# Altium PCB PCB1.PcbDoc (part 6 of 6)
Units mm, origin at the board's own origin, x right, y up, seen from the top; angles counter-clockwise.
Board outline 152.4 x 101.6 mm, 8 copper layers (L1-CU, GND, L3-CU-PWR, L4-CU, L5-CU-GND, L6-CU, L7-CU-GND, L8-CU), stack 1.524 mm thick; 274 components, 255 nets, 1291 pads, 685 vias.
Unrouted connection lines stored in the file: 236.
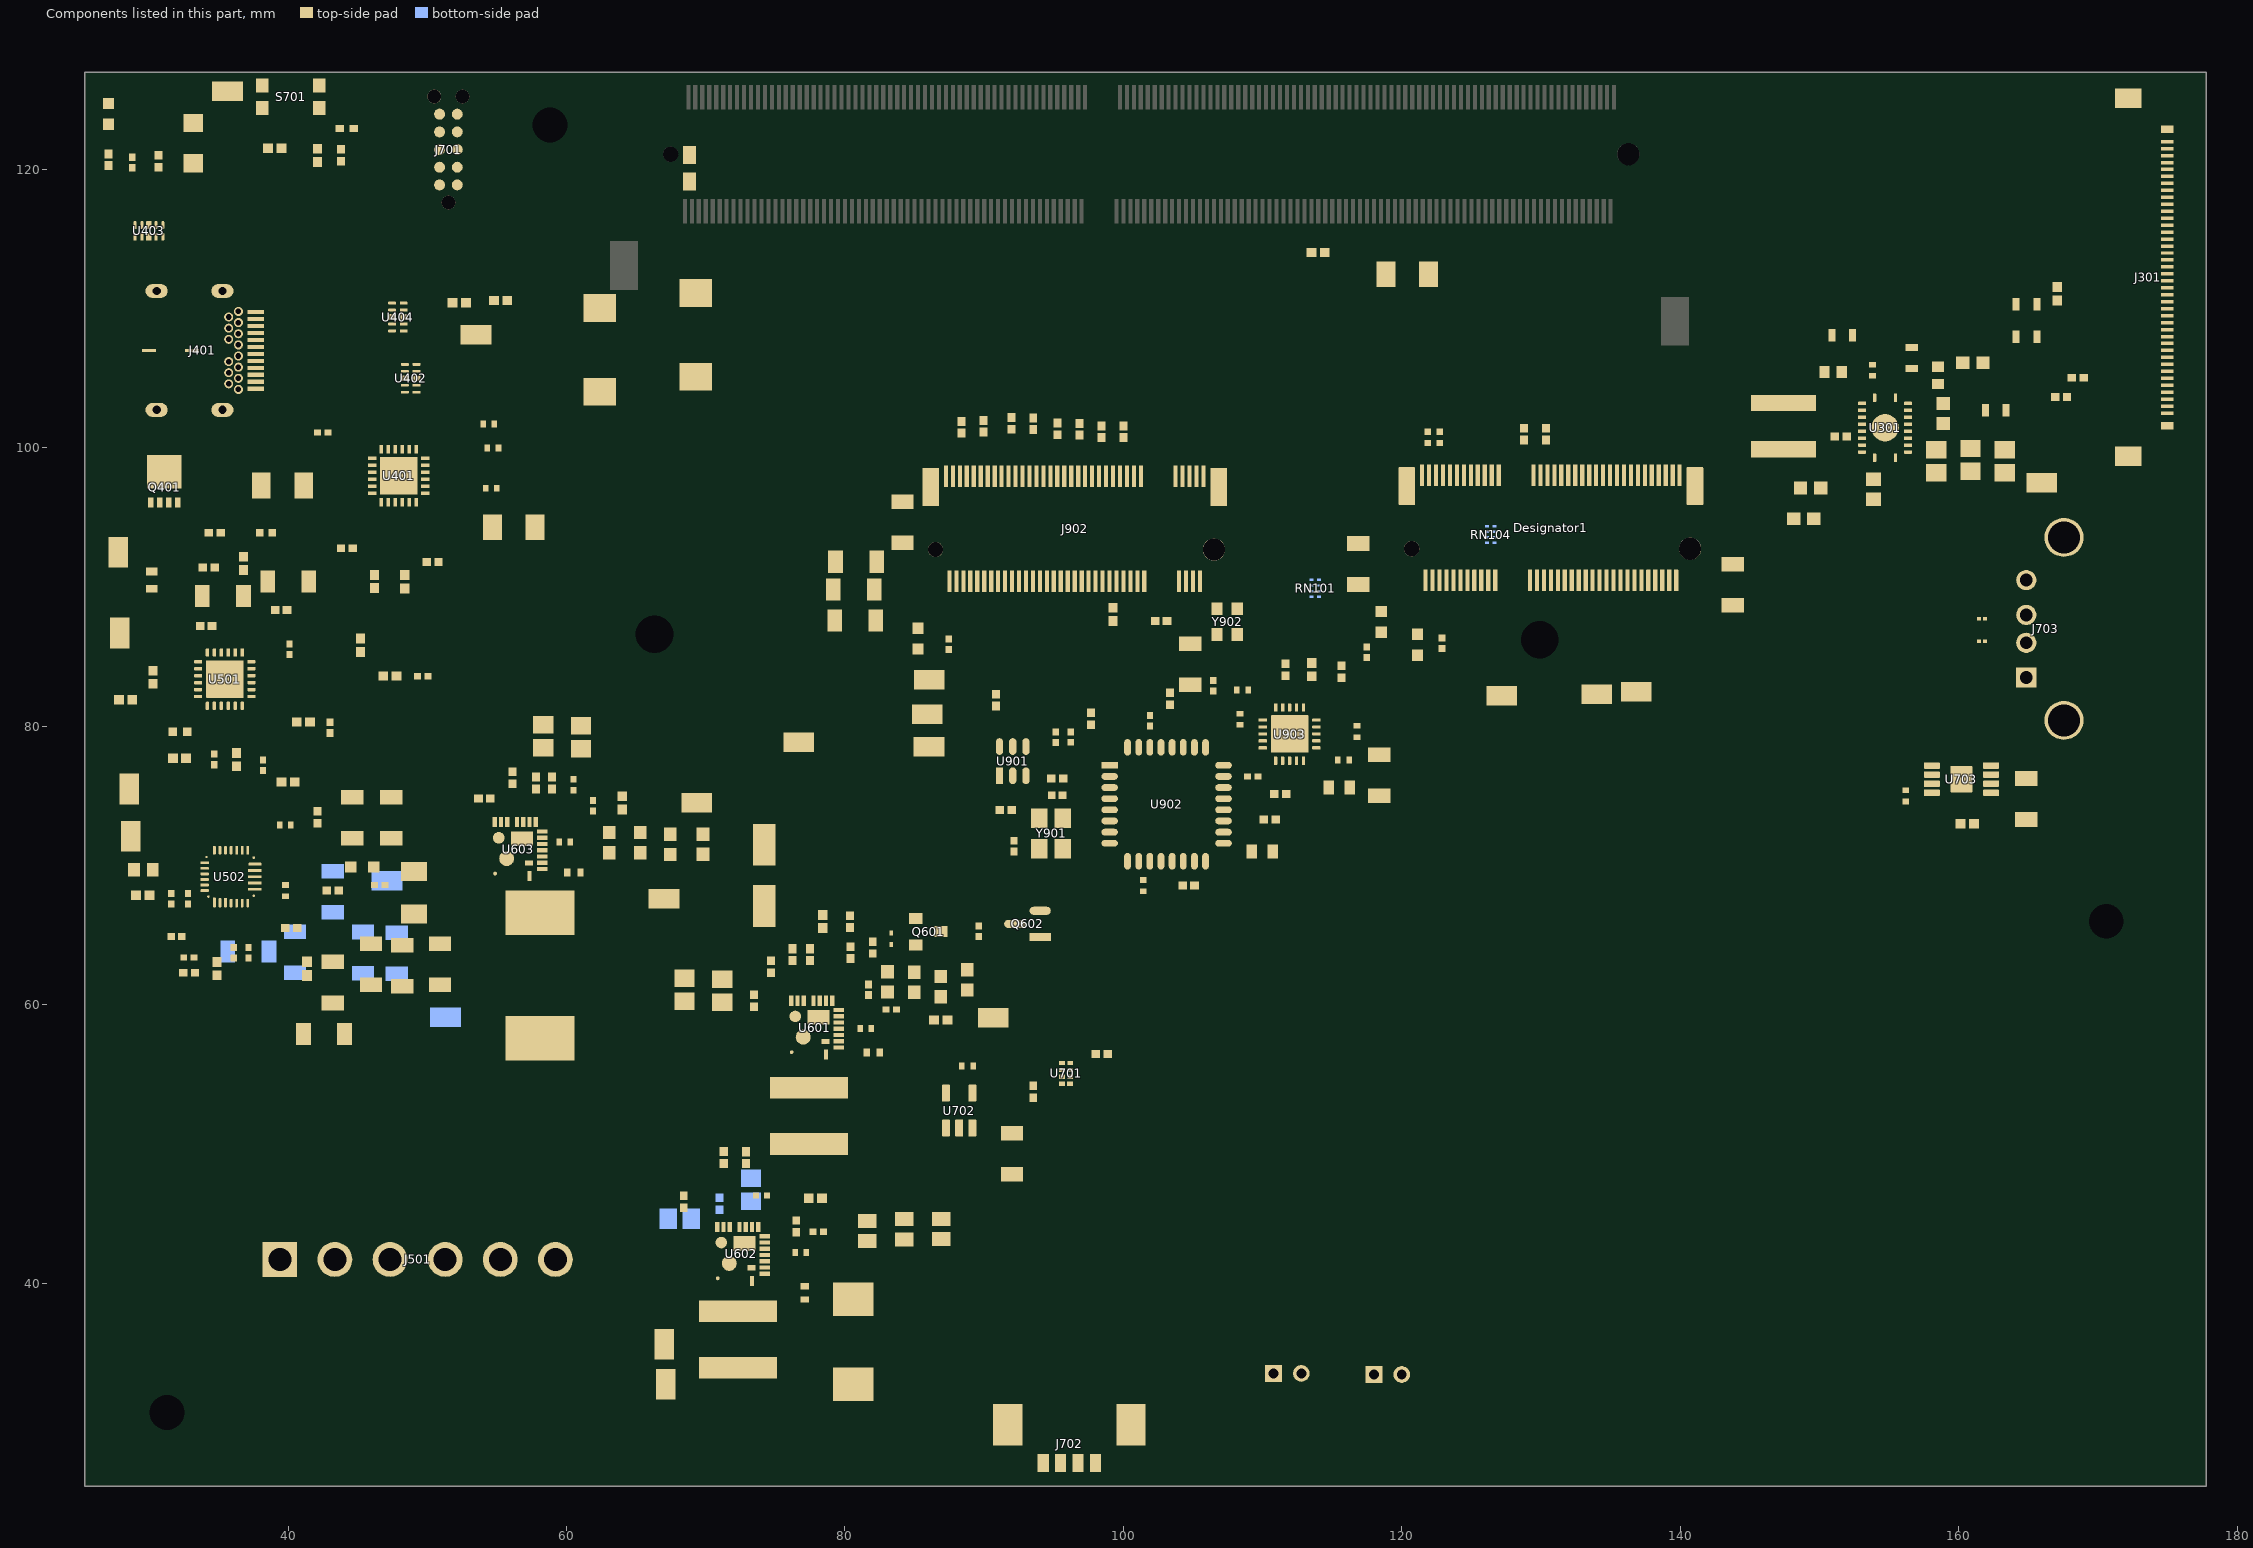
[diagram p12: the components of this part, seen from the top]

## Other copper
L3-CU-PWR:
  region net 3V3_M2: 45.012,78.14 46.074,77.464 52.065,83.679 51.4,84
  region net 3V3_M2: 38,78 38,80 39,80 39,78
  region net 3V3_M2: 46,77.6 38,77.6 38,78 46,78
  region net 3V3_M2: 59.3,71.55 59.4,71.45 62.4,71.45 62.4,74.35 59.3,74.35
  region net 3V3_M2: 61.722,58.699 61.697,58.725 61.392,58.725 61.392,71.349 61.62,71.577 60.579,71.577 60.579,58.674 60.986,58.267
  region net 3V3_M2: 63.5,53.7 52.8,53.7 52.8,58.5 53.1,58.8 63.5,58.8
  region net 3V3_M2: 34.086,72.547 35.067,71.567 35,63.6 32.787,65.813
  region net 3V3_M2: 47,67.1 47,61 46,61 46,67.1
  region net 3V3_M2: 31.7,66.4 31.7,65.7 32.9,65.7 32.9,66.4
  region net 3V3_M2: 47.019,64.819 45.02,62.82 45.02,57.781 46.981,57.781
  region net 3V3_M2: 46,61 37,61 37,61.845 37.477,62.323 46,62.323
  region net 3V3_M2: 55.519,56.581 53.52,58.58 45.202,58.58 47.156,56.626
  region net 3V3_M2: 35,64.9 35.2,64.7 37.5,64.7 37.5,62.345 37,61.845 35.245,63.6 35,63.6
  region net SYS_IN1: 75.616,66.04 75.794,65.862 77.978,65.862 77.978,66.802 77.902,66.878 77.876,66.853 75.616,66.853
  region net SYS_IN1: 75.768,61.849 75.819,61.9 75.819,66.827 74.651,66.827 74.498,66.675 74.622,66.551 74.622,61.917
  region net SYS_IN1: 68.35,120.1 68.35,126.75 68.3,126.8 69.656,126.8 69.656,119.956 69.6,119.9
  region net SYS_IN1: 68.4,123 66.5,123 66.5,126.5 68.4,126.5
  region net SYS_IN1: 67.278,113.822 67.3,113.845 67.3,120.1 69.4,120.1 69.6,119.9 69.6,115.4
  region net SYS_IN1: 62.332,81.559 64.465,110.528 68.624,115.4 71.1,115.4 71.1,104.894
  region net SYS_IN1: 63.26,97.993 50.191,79.679 50.985,78.885 53.5,81.4 63.932,81.4 63.932,97.993
  region net SYS_IN1: 47.5,72.45 47.5,78.1 57.4,84.1 55.7,78.3 53,72.45
  region net SYS_IN1: 66.6,61.9 66.9,62 76.9,62 76.9,61.1 77,61 66.7,61
  region net SYS_IN1: 66.883,61 65.8,61 65.8,61.9 67.033,61.9
  region net SYS_IN1: 66.815,41.946 65.879,84.18 63.8,83.58 64.059,42.405
  region net SYS_IN1: 47.5,70.95 53,70.95 53,72.45 47.5,72.45
  region net SYS_IN1: 42,69 42,71.2 52.6,71.2 52.6,69
  region net SYS_IN1: 43.5,66 40.5,66 40.5,69 43.5,69
  region net 5V_OUT: 155.397,67.945 151.435,63.983 147.65,63.983 147.65,94.64 149.962,96.952 152.857,94.056 152.857,75.565
  region net 5V_OUT: 78.227,63.373 78.4,63.2 78.4,59.9 88.039,59.9 88.772,66.602
  region net 5V_OUT: 154.254,63.895 154.254,76.657 151.867,76.657 151.867,64.332
  pour cut-out: 156.261,77.292 156.286,77.267 157.15,77.267
  region net 5V_OUT: 106.68,63.754 105.943,63.017 105.943,61.519 155.346,61.519 155.804,61.976 155.804,64.465
  region net 5V_OUT: 105.042,76.01 105.08,76.048 105.08,79.121 107.188,79.121 108.179,78.13 105.512,75.463 105.054,75.463
  region net 5V_OUT: 98.069,76.022 105.029,76.022 105.175,75.877 105.175,74.93 98.03,74.93 97.9,74.8
  region net 5V_OUT: 91.084,80.67 91.084,79.299 93.878,79.299 93.878,80.645
  region net 5V_OUT: 92.775,80.239 93.828,80.239 98.704,75.362 98.222,74.879 98.222,73.609 97.485,73.609 94.717,76.378 94.717,78.54
  region net 5V_OUT: 91.956,62.933 91.491,63.398 91.491,75.336 90.5,75.336 90.5,63.045
  region net 5V_OUT: 88.367,63.043 87.96,62.636 87.96,61.493 105.893,61.493 106.731,62.332 106.68,62.382 106.68,63.754
  region net 5V_OUT: 94.564,37.236 96.926,37.236 97.13,37.033 97.13,28.88 94.869,28.88 93.751,29.997 93.751,37.211
  region net 5V_OUT: 87.742,48.3 95.275,40.767 95.275,37.211 93.802,37.211 86.03,44.983 86.03,48.3
  region net 5V_OUT: 80.5,50.1 87.3,50.1 87.3,48.3 80.5,48.3
  region net 5V_OUT: 79.7,51.9 78.8,51.9 78.8,60.1 79.7,60.1
  region net 5V_OUT: 74,52 74,47.1 80.4,47.1 80.5,47.1 80.5,52
  pour cut-out: 115.24,84.658 115.24,83.922 115.189,83.871
L6-CU:
  region net 3V3_M2: 176.53,111.862 176.53,113.589 176.479,113.64 169.342,113.64 169.342,111.785
  region net 3V3_M2: 170.459,111.811 170.459,105.715 170.434,105.689 166.599,105.689 166.599,109.753 168.631,111.785
  region net 3V3_M2: 165.204,104.318 167.259,104.318 167.259,106.223 167.107,106.223 165.152,106.223
  region net 3V3_M2: 161.747,103.022 161.874,103.149 161.874,105.08 165.252,105.08 165.252,105.029 165.252,104.877 165.252,103.022
  region net 3V3_M2: 163.043,96.774 163.195,96.926 163.195,103.099 161.392,103.099 160.934,102.641 160.934,96.774
  region net 3V3_M2: 120.167,91.288 120.828,91.948 123.901,91.948 123.901,89.535 123.749,89.687 120.294,89.687
  region net 3V3_M2: 156.261,86.411 163.068,93.218 163.068,96.825 160.782,96.825 156.261,92.304
  region net 3V3_M2: 155.626,81.382 158.318,81.382 158.318,88.316 157.836,88.798 155.397,88.798 155.397,81.61
  region net 3V3_M2: 157.201,84.734 154.915,84.734 154.915,77.521 155.169,77.267 157.201,77.267
  region net 3V3_M2: 142.265,84.099 142.265,91.592 138.938,91.592 138.938,84.099
  region net 3V3_M2: 110.973,84.785 111.379,84.379 156.945,84.379 156.29,83.16 110.947,83.16 110.947,84.76
  region net 3V3_M2: 121.292,84.093 120.65,84.734 120.65,91.288 118.897,91.288 118.872,91.262 118.923,91.211 118.923,84.059
  region net 3V3_M2: 156.82,72.898 156.82,72.492 159.512,72.492 159.36,72.644 159.36,73.304 156.845,73.304
  region net 3V3_M2: 157.15,77.267 157.15,76.254 159.926,72.342 156.203,71.292 155.733,77.307
  region net 3V3_M2: 105.664,84.099 105.791,84.226 105.791,91.084 103.226,91.084 103.226,83.998
  region net 3V3_M2: 91.694,83.972 91.694,88.214 91.821,88.341 90.068,88.341 90.068,84.226 89.865,84.023
  region net 3V3_M2: 107.772,84.007 107.772,85.894 108.56,85.894 108.56,84.025 108.541,84.007
  region net 3V3_M2: 107.086,84.176 107.086,85.877 106.35,85.877 106.375,85.852 106.375,84.15
  region net 3V3_M2: 89.801,83.16 111.1,83.16 111.1,84.709 90.475,84.709 89.747,83.981
  region net 3V3_M2: 89.992,88.163 90.119,88.29 95.682,88.29 95.682,92.227 95.428,92.481 87.909,92.481 86.639,91.211
  region net 3V3_M2: 90.17,88.214 91.618,89.662 91.618,91.313 85.471,91.313 85.496,91.288 85.496,88.138 86.335,88.138 86.36,88.163
  region net 3V3_M2: 88.748,88.367 88.748,87.351 89.103,86.995 89.281,87.173 90.602,87.173 90.602,88.113 90.322,88.392
  region net 3V3_M2: 90.747,85.936 88.643,88.574 85.562,88.205
  region net 3V3_M2: 90.075,85.692 90.075,87.492 88.875,87.492 88.875,70.192 89.875,69.192
  region net 3V3_M2: 88.062,70.993 88.062,75.463 89.002,76.403 89.052,76.352 89.052,70.891
  region net 3V3_M2: 89.9,70 75.5,70 75.5,71 89.8,71
  region net 3V3_M2: 76.6,66.7 76.5,66.6 75.5,66.6 75.5,71 75.6,70.9 76.7,70.9
  region net 3V3_M2: 76.524,66.494 77.252,68.464 78.842,70.053 76.005,70.053
  region net 3V3_M2: 63.1,66.969 63.1,65.5 76,65.5 76.91,67.321
  region net 3V3_M2: 61.9,59 61.9,67 62,67 63.2,67 63.2,59 62.2,58
  region net 3V3_M2: 62.967,64.16 75.565,64.16 75.565,65.535 75.373,65.727 75.305,65.659 62.916,65.659
  region net 3V3_M2: 54.3,59 54.3,54.3 62.6,54.3 62.5,54.4 62.5,59
  region net 6V0_OUT: 172.136,102.667 172.237,102.768 172.237,104.089 171.831,104.089 171.196,103.454 171.196,102.667
  region net 6V0_OUT: 172.738,95.268 172.509,95.496 171.29,96.716 170.881,96.891 170.396,96.406 172.316,94.485
  region net 6V0_OUT: 168.819,102.667 172.136,102.667 172.161,102.641 172.034,102.514 172.034,102.108 168.91,102.108 168.762,101.96
  region net 6V0_OUT: 173.14,69.507 172.911,95.275 172.212,95.275 172.212,69.52 172.161,69.469
  region net 6V0_OUT: 171.069,96.342 171.069,96.799 168.681,99.187 168.3,99.187 168.3,98.501 170.764,96.037
  region net 6V0_OUT: 166.202,69.612 166.202,68.097 174.549,68.351 174.574,68.402 174.574,68.605 174.574,69.596
  region net 6V0_OUT: 168.3,99.187 168.3,102.667 168.885,102.667 168.91,102.641 168.808,102.54 168.808,99.085
  region net 6V0_OUT: 166.202,42.961 164.532,42.961 164.516,42.977 165.049,43.51 165.049,69.612 166.202,69.612
  region net 6V0_OUT: 90.83,43.078 90.856,43.104 90.856,43.713 88.671,43.713 88.697,43.688 88.697,42.896
  region net 6V0_OUT: 88.697,43.348 88.697,42.443 166.202,41.986 166.202,42.961
  region net 6V0_OUT: 73.635,45.39 73.635,43.409 73.66,43.434 90.856,43.434 90.856,45.237 90.83,45.263
  region net 6V0_OUT: 73.5,35.3 73.6,35.4 73.6,45.5 75.4,45.5 75.4,35.3
  region net 6V0_OUT: 75.3,31 69.3,31 69.3,35.1 69.5,35.3 75.4,35.3 75.4,31.1
  region net 1V8_LDO: 28.169,52.197 28.219,52.248 28.219,68.732 26.467,68.78 27.28,66.676 27.28,51.079 28.143,51.079 28.169,51.054
  region net 1V8_LDO: 27.076,67.335 26.238,67.335 26.238,69.52 26.67,69.52
  region net 1V8_LDO: 75.66,51.054 28.169,51.054 28.169,52.197 75.778,52.197
  region net 1V8_LDO: 38.811,117.627 38.811,116.307 49.784,116.307 50.038,116.307 50.063,117.627
  region net 1V8_LDO: 86.851,55.05 85.75,53.95 85.75,49.936 75.743,49.936 75.743,54.458
  region net 1V8_LDO: 84.633,56.515 84.633,54.051 84.658,54.026 88.722,54.026 88.722,56.439 88.697,56.464
  region net 1V8_LDO: 88.722,55.232 88.697,55.207 88.697,54.686 92.71,54.686 93.256,55.232
  region net 1V8_LDO: 93.243,55.22 93.869,55.845 97.291,55.845 97.384,55.753 97.358,55.728 97.358,55.321 97.155,55.321 96.545,54.712 92.634,54.712
  region net 1V8_LDO: 96.545,54.712 96.571,54.737 98.654,54.737 98.654,55.804 98.695,55.845 97.291,55.845

## Silkscreen, mask and mechanical layers (free items; w line width, h text height)
Top Assembly:
  lines w0.2: 62.775,106.299 62.775,126.3 140.975,126.3 140.975,106.299 62.775,106.299
  text ".Designator" at 101.875,113.288 h1
Top 3D Body:
  lines w0.2: 63.7,106.477 63.7,126.2 140.05,126.2 140.05,106.477 63.7,106.477
Top Courtyard:
  lines w0.2: 62.775,106.299 140.975,106.299 140.975,126.3 62.775,126.3 62.775,106.299
Top Component Center:
  lines w0.1: 101.375,113.1 102.375,113.1 ; 101.875,112.6 101.875,113.6

## Text inside footprints (layer, text, board x,y; h text height)
J401: Mechanical 2 "PCB Edge" at 26.15,108.7 h0.61 r270
TP604: Top Assembly "tp605" at 67,67.589 h1